# KiCad board NX-J401-Adapter.kicad_pcb
title: NX Adapter Board; date: 2023-08-25; rev: 1; company: 971 Spartan Robotics
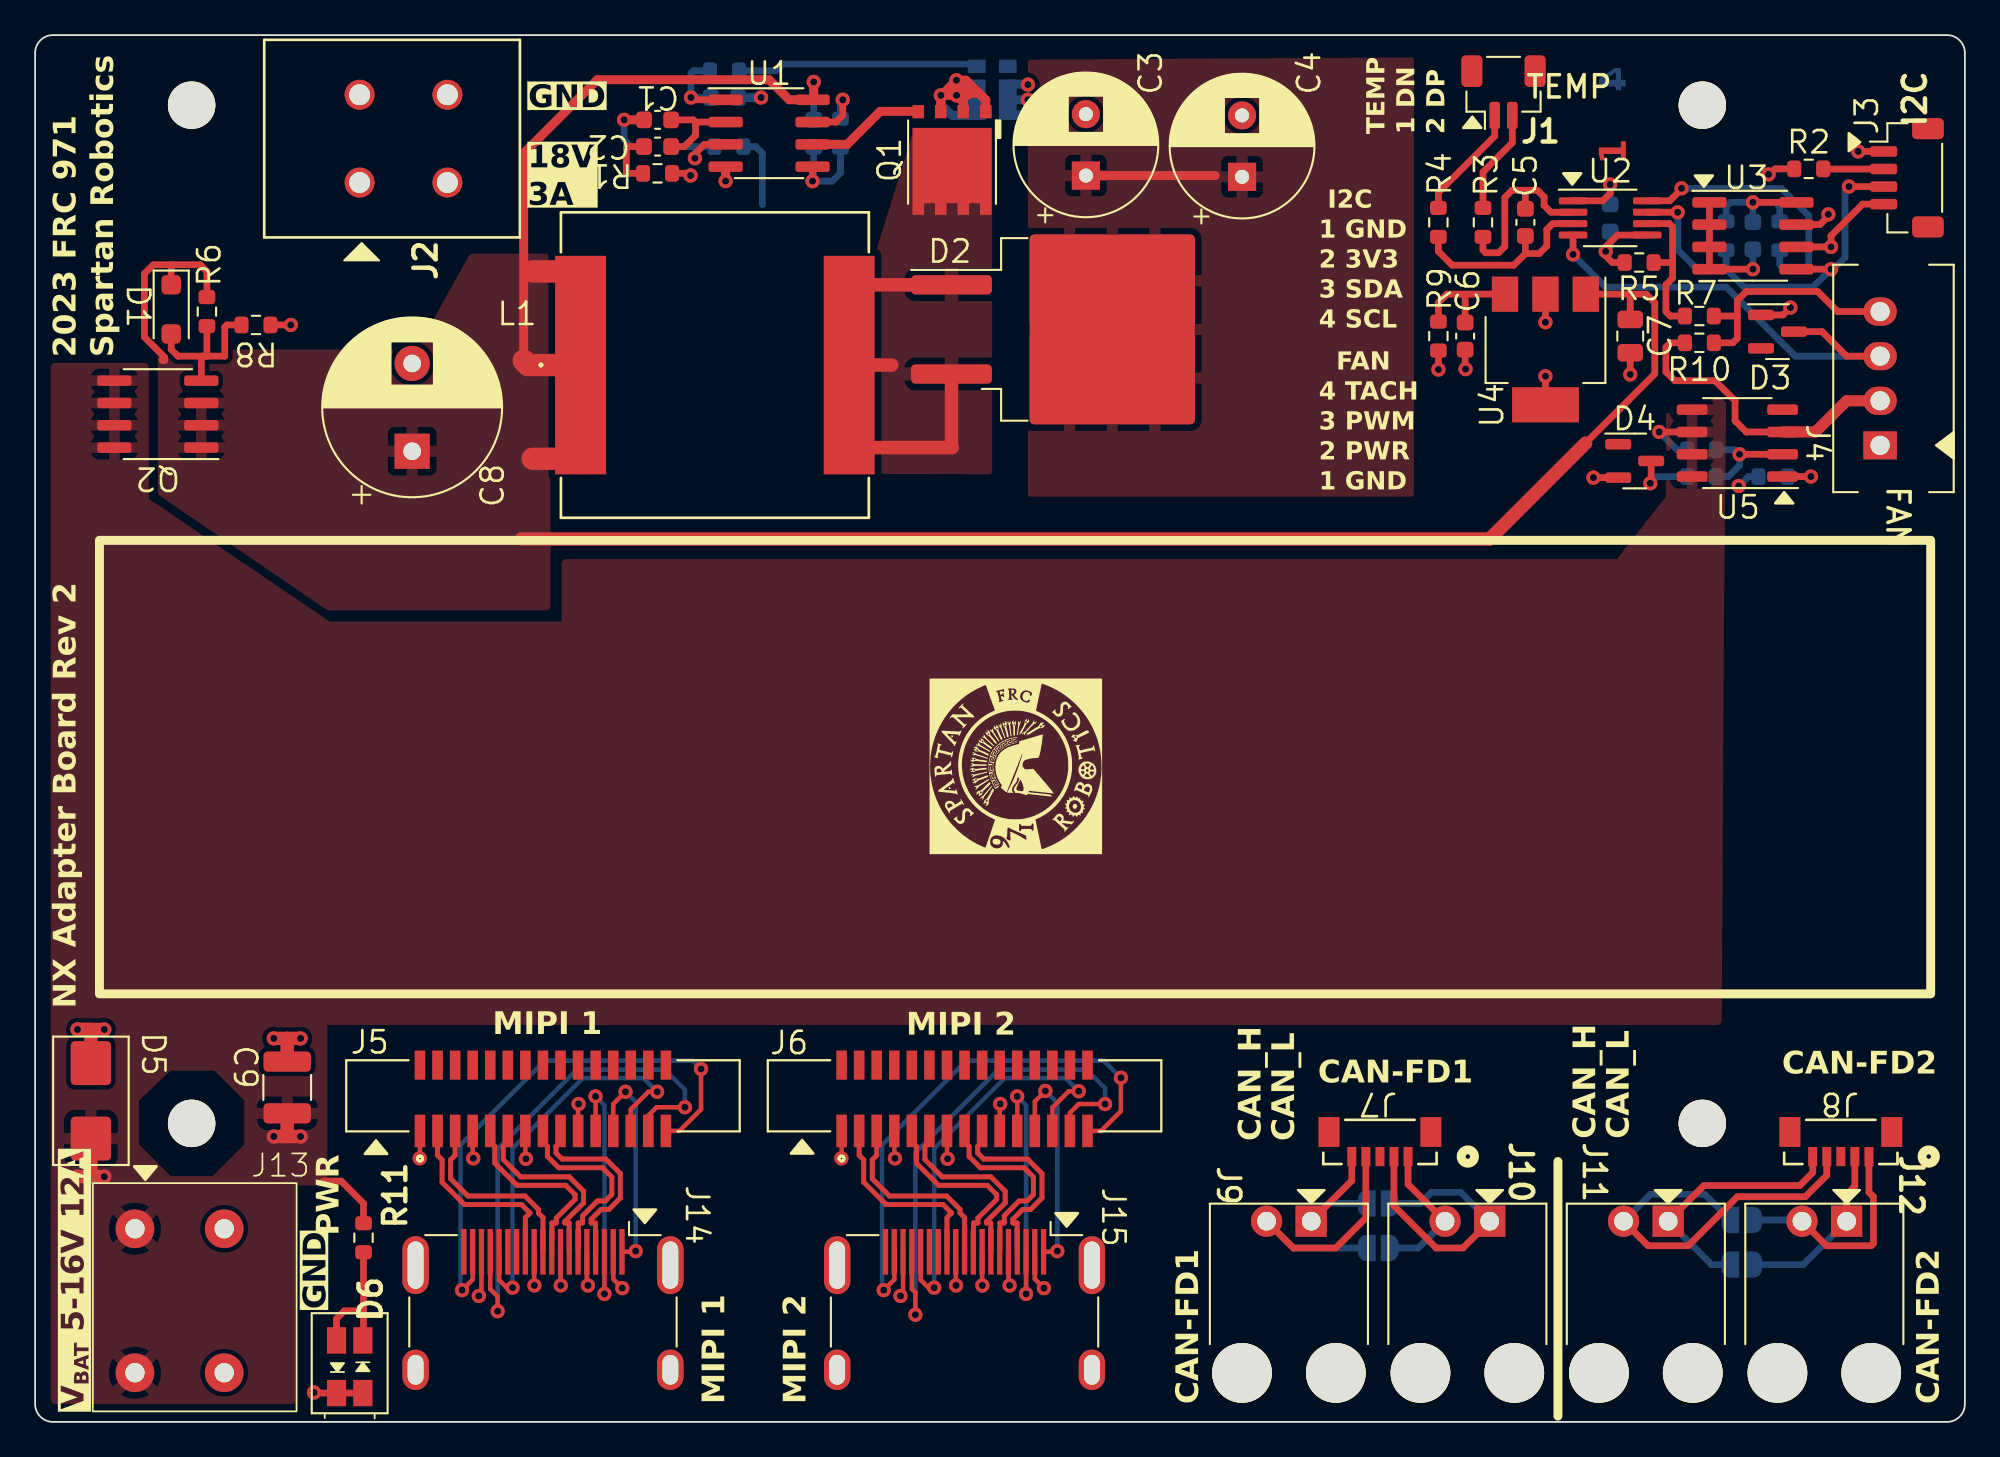
[diagram p0: board, top side]
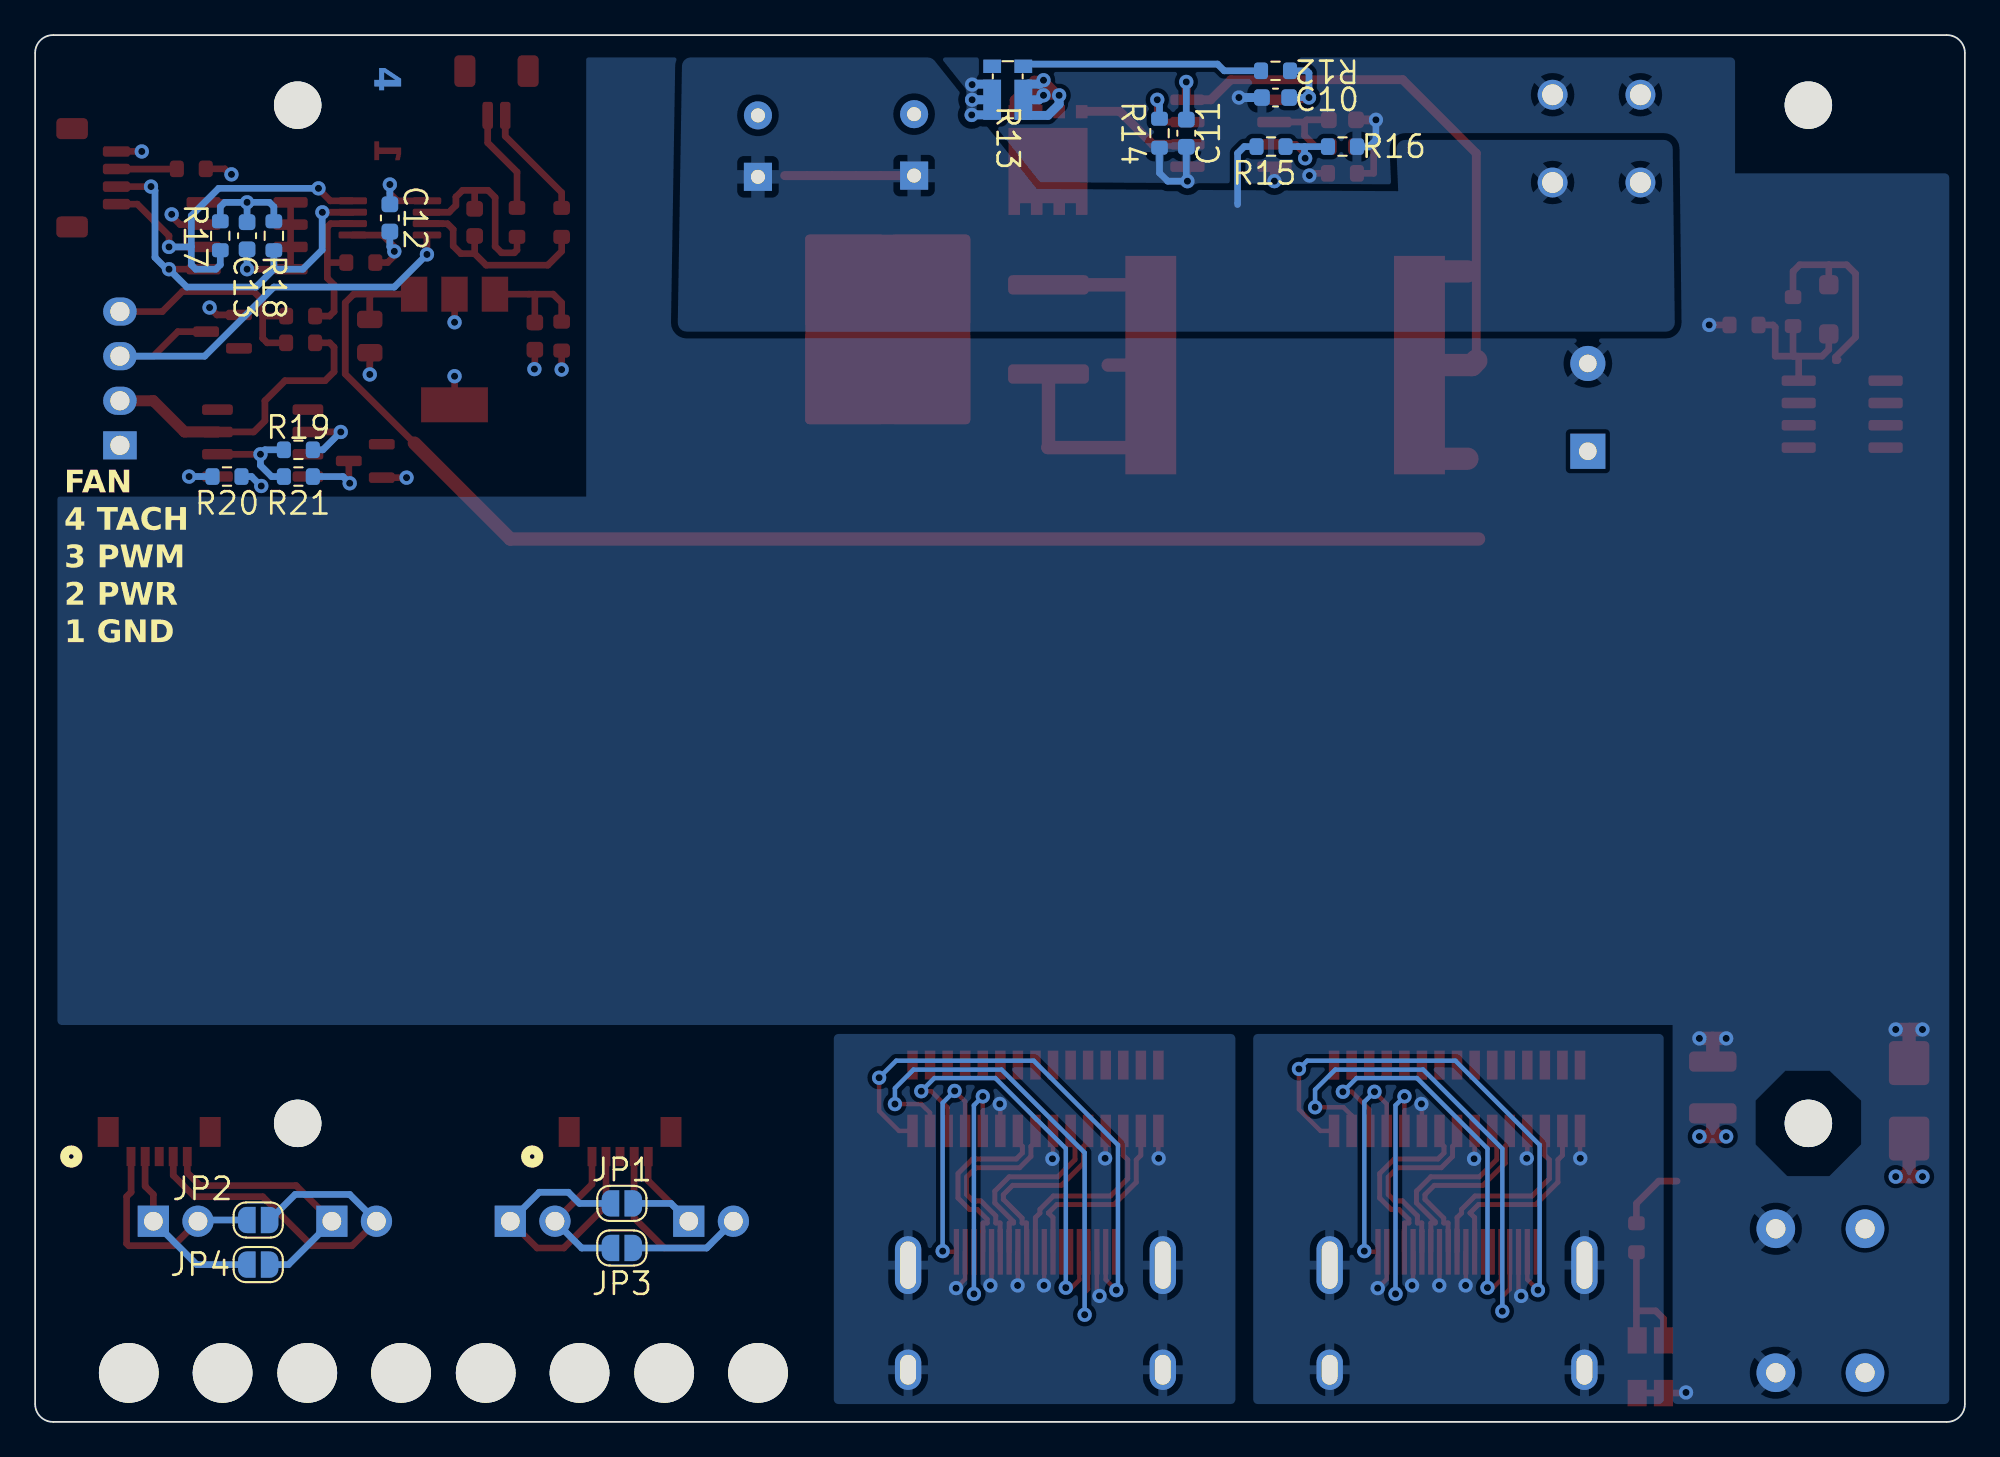
[diagram p1: board, bottom side, seen from below]

Outline 109.86 x 78.99 mm; copper layers: Top, In1.Cu, In2.Cu, Bottom. Coordinates in mm from the lower left corner of the outline.
Outline path: 0,77.98 0,1.02 arc(0.3,0.3) 1.02,0 108.84,0 arc(109.56,0.3) 109.86,1.02 109.86,77.98 arc(109.56,78.7) 108.84,78.99 1.02,78.99 arc(0.3,78.7) 0,77.98
Stack: Top 0.035mm / dielectric 0.204mm 7628 er 4.5 / In1.Cu 0.0152mm / dielectric 1.065mm FR4 er 4.5 / In2.Cu 0.0152mm / dielectric 0.204mm 7628 er 4.5 / Bottom 0.035mm

## Placement (name value [footprint] x y rotation side)
C1  0.01uF-10%-50V-0603  [C_0603_1608Metric]  35.43 74.17 180 top
C2  0.22uF-10%-50V-0603  [C_0603_1608Metric]  35.43 72.64 180 top
C3  82uF 35V  [CP_Radial_D8.0mm_P3.50mm]  59.82 70.99 90 top
C4  82uF 35V  [CP_Radial_D8.0mm_P3.50mm]  68.71 70.92 90 top
C5  470pF-5%-50V-0603  [C_0603_1608Metric]  84.84 68.33 270 top
C6  2.2uF-10%-6.3V-0603  [C_0603_1608Metric]  81.41 61.85 270 top
C7  1uF-10%-50V-0805  [C_0805_2012Metric]  90.81 61.85 270 top
C8  330uF 35V  [CP_Radial_D10.0mm_P5.00mm]  21.46 55.29 90 top
C9  22uF-25V-10%-1210  [C_1210_3225Metric]  14.35 19.05 270 top
C10  10pF-5%-50V-0603  [C_0603_1608Metric]  39.24 75.44 0 bottom
C11  0.1uF-10%-50V-0603  [C_0603_1608Metric]  44.32 73.41 270 bottom
C12  0.1uF-10%-50V-0603  [C_0603_1608Metric]  89.66 68.58 270 bottom
C13  0.1uF-10%-50V-0603  [C_0603_1608Metric]  97.79 67.56 270 bottom
D1  15V  [D_SOD-123F]  7.75 63.37 270 top
D2  STPS20M100SG-TR  [TO-263-2]  59.82 62.23 0 top
D3  3.3V  [SOT-23]  99.19 62.1 0 top
D4  BAV99LT1G  [SOT-23]  91.06 54.74 0 top
D5  15V  [D_SMB]  3.17 18.29 270 top
D6  PWR  [LED-Dialight-5913001858F]  17.91 3.14 90 top
G***  LOGO  [Spartan Logo-FrontSilk]  55.83 37.34 90 top
H1  MountingHole  [MountingHole_2.7mm_M2.5]  8.91 75 0 top
H2  MountingHole  [MountingHole_2.7mm_M2.5]  94.91 75 0 top
H3  MountingHole  [MountingHole_2.7mm_M2.5]  8.91 17 0 top
H4  MountingHole  [MountingHole_2.7mm_M2.5]  94.91 17 0 top
J1  TEMP  [JST_SH_BM02B-SRSS-TB_1x02-1MP_P1.00mm_Vertical]  83.59 75.74 0 top
J2  18V_OUT  [CONN_69140872_WRE]  18.47 70.6 90 top
J3  I2C  [JST_SH_BM04B-SRSS-TB_1x04-1MP_P1.00mm_Vertical]  106.55 70.87 270 top
J4  FAN  [70543-0003]  105.03 55.63 270 top
J5  MIPI  [TE_1-1734248-5]  28.91 18.6 0 top
J6  MIPI  [TE_1-1734248-5]  52.91 18.6 0 top
J7  CAN-FD2  [CONN_BM05B-SURS-TF_JST]  76.56 15.94 180 top
J8  CAN-FD1  [CONN_BM05B-SURS-TF_JST]  102.79 15.94 180 top
J9  CAN-FD2  [70555-0001]  71.37 11.43 270 top
J10  CAN-PT-FD2  [70555-0001]  81.53 11.43 270 top
J11  CAN-FD1  [70555-0001]  91.69 11.43 270 top
J12  CAN-PT-FD1  [70555-0001]  101.85 11.43 270 top
J13  Power  [Wurth-691406510002B]  5.68 11 0 top
J14  HDMI  [HDMI_A_Molex_208658-1001_Horizontal]  28.91 6.4 270 top
J15  HDMI  [HDMI_A_Molex_208658-1001_Horizontal]  52.91 6.4 270 top
JP1  CANFD2_L  [SolderJumper-2_P1.3mm_Open_RoundedPad1.0x1.5mm]  76.45 12.45 0 bottom
JP2  CANFD1_H  [SolderJumper-2_P1.3mm_Open_RoundedPad1.0x1.5mm]  97.15 11.5 0 bottom
JP3  CANFD2_H  [SolderJumper-2_P1.3mm_Open_RoundedPad1.0x1.5mm]  76.45 9.91 0 bottom
JP4  CANFD1_L  [SolderJumper-2_P1.3mm_Open_RoundedPad1.0x1.5mm]  97.15 8.96 0 bottom
L1  4.7 uH-4.18m-20%  [IND_IHLP-6767GZ_VIS]  38.7 60.2 0 top
Q1  CSD16322Q5  [TI-SON5x6]  52.2 71.88 90 top
Q2  SI4483ADY-T1-GE3  [SOIC-8_3.9x4.9mm_P1.27mm]  6.98 57.4 180 top
R1  1.0k-1%-0603  [R_0603_1608Metric]  35.43 71.12 180 top
R2  0R-1%-0603  [R_0603_1608Metric]  100.96 71.37 180 top
R3  100R-1%-0603  [R_0603_1608Metric]  82.42 68.33 90 top
R4  100R-1%-0603  [R_0603_1608Metric]  79.88 68.33 90 top
R5  4.99k-1%-0603  [R_0603_1608Metric]  91.31 66.04 0 top
R6  20.0k-1%-0603  [R_0603_1608Metric]  9.78 63.25 90 top
R7  10k-1%-0603  [R_0603_1608Metric]  94.74 62.99 180 top
R8  1.0k-1%-0603  [R_0603_1608Metric]  12.57 62.48 180 top
R9  0R-1%-0603  [R_0603_1608Metric]  79.88 61.85 90 top
R10  10k-1%-0603  [R_0603_1608Metric]  94.74 61.47 180 top
R11  4.99k-1%-0603  [R_0603_1608Metric]  18.69 10.49 90 top
R12  100R-1%-0603  [R_0603_1608Metric]  39.24 76.96 180 bottom
R13  4.0m-1%-1W  [R_Shunt_Vishay_WSKW0612]  54.49 75.88 90 bottom
R14  64.9k-1%-0603  [R_0603_1608Metric]  45.85 73.41 90 bottom
R15  13.3k-1%-0603  [R_0603_1608Metric]  39.5 72.64 0 bottom
R16  1.0k-1%-0603  [R_0603_1608Metric]  35.43 72.64 0 bottom
R17  4.99k-1%-0603  [R_0603_1608Metric]  99.31 67.56 90 bottom
R18  4.99k-1%-0603  [R_0603_1608Metric]  96.27 67.56 90 bottom
R19  4.99k-1%-0603  [R_0603_1608Metric]  94.87 55.37 180 bottom
R20  150R-1%-0603  [R_0603_1608Metric]  98.93 53.85 0 bottom
R21  13.3k-1%-0603  [R_0603_1608Metric]  94.87 53.85 0 bottom
U1  LM3478MA  [SOIC-8_3.9x4.9mm_P1.27mm]  41.78 73.41 0 top
U2  EMC2101-R  [MSOP-8_3x3mm_P0.65mm]  89.66 68.58 0 top
U3  AT24CS02-SSHM  [SOIC-8_3.9x4.9mm_P1.27mm]  97.79 67.56 0 top
U4  MIC5233-3.3YS  [SOT-223-3_TabPin2]  85.98 61.09 270 top
U5  ISP762T  [SO-8_3.9x4.9mm_P1.27mm]  96.9 55.75 180 top

## Library data of the parts
C1 = -: Description: Unpolarized capacitor; DIST: Digikey; DIST P/N: 1276-1009-1-ND; MFG: Samsung Electro-Mechanics; MFG P/N: CL10B103KB8NNNC; Page: 2/5
C2 = -: Description: Unpolarized capacitor; DIST: Digikey; DIST P/N: 1276-6600-1-ND; MFG: Samsung Electro-Mechanics; MFG P/N: CL10B224KB8VPNC; Page: 2/5
C3 C4 = -: Description: Polarized capacitor, US symbol; DIST: Mouser; DIST P/N: 667-35SEPF82M; MFG: Panasonic Electronic Components; MFG P/N: 35SEPF82M; Page: 2/5
C5 = -: Description: Unpolarized capacitor; DIST: Digikey; DIST P/N: 399-C0603C471J5GAC7867CT-ND; MFG: KEMET; MFG P/N: C0603C471J5GAC7867; Page: 5/5
C6 = -: Description: Unpolarized capacitor; DIST: Digikey; DIST P/N: 445-6933-1-ND; MFG: TDK Corporation; MFG P/N: CGA3E1X7R0J225K080AC; Page: 5/5
C7 = -: Description: Unpolarized capacitor; DIST: Digikey; DIST P/N: 1276-6470-1-ND; MFG: Samsung Electro-Mechanics; MFG P/N: CL21B105KBFNNNG; Page: 5/5
C8 = -: Description: Polarized capacitor, US symbol; DIST: Digikey; DIST P/N: 1189-35PZJ330M10X9-ND; MFG: Rubycon; MFG P/N: 35PZJ330M10X9; Page: 2/5
C9 = -: Description: Unpolarized capacitor; DIST: Digikey; DIST P/N: 490-3889-1-ND; MFG: Murata; MFG P/N: GRM32ER61E226KE15L; Page: 2/5
C10 = -: Description: Unpolarized capacitor; DIST: Digikey; DIST P/N: 478-KGM15ACG1H100JTCT-ND; MFG: KYOCERA AVX; MFG P/N: KGM15ACG1H100JT; Page: 2/5
C11 = -: Description: Unpolarized capacitor; DIST: Digikey; DIST P/N: 1276-1000-1-ND; MFG: Samsung Electro-Mechanics; MFG P/N: CL10B104KB8NNNC; Page: 2/5
C12 C13 = -: Description: Unpolarized capacitor; DIST: Digikey; DIST P/N: 1276-1000-1-ND; MFG: Samsung Electro-Mechanics; MFG P/N: CL10B104KB8NNNC; Page: 5/5
D1 = -: Description: Zener diode; DIST: Digikey; DIST P/N: 1727-3593-1-ND; MFG: Nexperia; MFG P/N: BZT52H-C15,115; Page: 2/5
D2 = -: Description: Schottky diode, anode on pins 1 and 2; DIST: Digikey; DIST P/N: 497-10993-1-ND; MFG: STmicroelectronics; Page: 2/5
D3 = -: Description: Zener diode; DIST: Digikey; DIST P/N: 1727-2937-1-ND; MFG: Nexperia; MFG P/N: BZX84-C3V3,215; Page: 5/5
D4 = -: Description: BAV99 High-speed switching diodes, SOT-23; DIST: Digikey; DIST P/N: BAV99LT1GOSCT-ND; MFG: onsemi; Page: 5/5
D5 = -: Description: Bidirectional transient-voltage-suppression diode; DIST: Digikey; DIST P/N: F11544CT-ND; MFG: Littelfuse; MFG P/N: SZ1SMB15CAT3G; Page: 2/5
D6 = -: Description: Light emitting diode; DIST: Digikey; DIST P/N: 350-5913001858FCT-ND; MFG: Dialight; MFG P/N: 5913001858F
H1-H4 = -: Description: Mounting Hole without connection
J1 = -: Description: Generic connector, single row, 01x02, script generated; DIST: Digikey; DIST P/N: 455-1788-1-ND; MFG: JST; MFG P/N: BM02B-SRSS-TB; Page: 5/5
J2 = -: Description: Generic connector, single row, 01x02, script generated; DIST: Digikey; DIST P/N: 732-691408720002B-ND; MFG: Würth Elektronik; MFG P/N: 691408720002B
J3 = -: Description: Generic connector, single row, 01x04, script generated; DIST: Digikey; DIST P/N: 455-BM04B-SRSS-TBCT-ND; MFG: JST; MFG P/N: BM04B-SRSS-TB; Page: 5/5
J4 = -: Description: Generic connector, single row, 01x04, script generated; DIST: Digikey; DIST P/N: WM4802-ND; MFG: Molex; MFG P/N: 70543-0003
J5 = -: Description: Generic connector, single row, 01x15, script generated (kicad-library-utils/schlib/autogen/connector/); DIST: Digikey; DIST P/N: A101418CT-ND; MFG: TE Connectivity; MFG P/N: 1-1734248-5; Page: 3/5
J6 = -: Description: Generic connector, single row, 01x15, script generated (kicad-library-utils/schlib/autogen/connector/); DIST: Digikey; DIST P/N: A101418CT-ND; MFG: TE Connectivity; MFG P/N: 1-1734248-5; Page: 4/5
J7 J8 = -: Description: Generic connector, single row, 01x05, script generated; DIST: Digikey; DIST P/N: 455-BM05B-SURS-TFCT-ND; MFG: JST Sales; MFG P/N: BM05B-SURS-TF
J9-J12 = -: Description: Generic connector, single row, 01x02, script generated; DIST: Digikey; DIST P/N: WM4164-ND; MFG: Molex; MFG P/N: 0705550001
J13 = -: Description: Generic connector, single row, 01x02, script generated; DIST: Digikey; DIST P/N: 732-691406510002B-ND; MFG: Wurth; MFG P/N: 691406510002B
J14 = -: Description: HDMI type A connector; DIST: Digikey; DIST P/N: 900-2086581051CT-ND; MFG: Molex; MFG P/N: 2086581051; Page: 3/5
J15 = -: Description: HDMI type A connector; DIST: Digikey; DIST P/N: 900-2086581051CT-ND; MFG: Molex; MFG P/N: 2086581051; Page: 4/5
JP1-JP4 = -: Description: Jumper, 2-pole, open
L1 = -: Description: Inductor with iron core; DIST: Digikey; DIST P/N: 541-1282-1-ND; MFG: Vishay Dale; MFG P/N: IHLP6767GZER4R7M11; Page: 2/5
Q1 = -: Description: N-MOSFET transistor, source/drain/gate, drain connected to mounting plane; DIST: Digikey; DIST P/N: 296-25112-1-ND; MFG: Texas Instruments; Page: 2/5
Q2 = -: Description: P-MOSFET transistor, source/gate/drain; DIST: Mouser; DIST P/N: 781-SI4483ADY-GE3; MFG: Vishay; Page: 2/5
R1 R8 R16 = -: Description: Resistor, US symbol; DIST: Digikey; DIST P/N: 311-1.00KHRCT-ND; MFG: Yageo; MFG P/N: RC0603FR-071KL; Page: 2/5
R2 R9 = -: Description: Resistor, US symbol; DIST: Digikey; DIST P/N: 311-0.0HRCT-ND; MFG: Yageo; MFG P/N: RC0603FR-070RL; Page: 5/5
R3 R4 = -: Description: Resistor, US symbol; DIST: Digikey; DIST P/N: 311-100HRCT-ND; MFG: Yageo; MFG P/N: RC0603FR-07100RL; Page: 5/5
R5 R17-R19 = -: Description: Resistor, US symbol; DIST: Digikey; DIST P/N: 311-4.99KHRCT-ND; MFG: Yageo; MFG P/N: RC0603FR-074K99L; Page: 5/5
R6 = -: Description: Resistor, US symbol; DIST: Digikey; DIST P/N: 311-20.0KHRCT-ND; MFG: Yageo; MFG P/N: RC0603FR-0720KL; Page: 2/5
R7 R10 = -: Description: Resistor, US symbol; DIST: Digikey; DIST P/N: 311-10.0KHRCT-ND; MFG: Yageo; MFG P/N: RC0603FR-0710KL; Page: 5/5
R11 = -: Description: Resistor, US symbol; DIST: Digikey; DIST P/N: 311-4.99KHRCT-ND; MFG: Yageo; MFG P/N: RC0603FR-074K99L
R12 = -: Description: Resistor, US symbol; DIST: Digikey; DIST P/N: 311-100HRCT-ND; MFG: Yageo; MFG P/N: RC0603FR-07100RL; Page: 2/5
R13 = -: Description: Shunt resistor, US symbol; DIST: Digikey; DIST P/N: 541-WSKW06124L000FEACT-ND; MFG: Vishay Dale; MFG P/N: WSKW06124L000FEA; Page: 2/5
R14 = -: Description: Resistor, US symbol; DIST: Digikey; DIST P/N: 311-64.9KHRCT-ND; MFG: Yageo; MFG P/N: RC0603FR-0764K9L; Page: 2/5
R15 = -: Description: Resistor, US symbol; DIST: Digikey; DIST P/N: 311-13.3KHRCT-ND; MFG: Yageo; MFG P/N: RC0603FR-0713K3L; Page: 2/5
R20 = -: Description: Resistor, US symbol; DIST: Digikey; DIST P/N: 311-150HRCT-ND; MFG: Yageo; MFG P/N: RC0603FR-07150RL; Page: 5/5
R21 = -: Description: Resistor, US symbol; DIST: Digikey; DIST P/N: 311-13.3KHRCT-ND; MFG: Yageo; MFG P/N: RC0603FR-0713K3L; Page: 5/5
U1 = -: Description: 2.97~40V Wide Input Range Boost/SEPIC/Flyback DC-DC Controller, SOIC-8; DIST: Digikey; DIST P/N: 296-38111-1-ND; MFG: Texas Instruments; MFG P/N: LM3478MAX/NOPB; Page: 2/5
U2 = -: DIST: Digikey; DIST P/N: EMC2101-R-ACZL-CT-ND; MFG: Microchip; MFG P/N: EMC2101-R-ACZL-TR; Page: 5/5
U3 = -: Description: I2C Serial EEPROM, 2Kb (256x8) with Unique Serial Number, SO8; DIST: Digikey; DIST P/N: AT24C02D-SSHM-TCT-ND; MFG: Microchip; MFG P/N: AT24C02D-SSHM-T; Page: 5/5
U4 = -: Description: Linear Voltage Regulator IC Positive Fixed 1 Output 100mA SOT-223-3; DIST: Digikey; DIST P/N: 576-4075-ND; MFG: Microchip; Page: 5/5